# Altium PCB Ctrl-FOC-Lite.PcbDoc (continued)
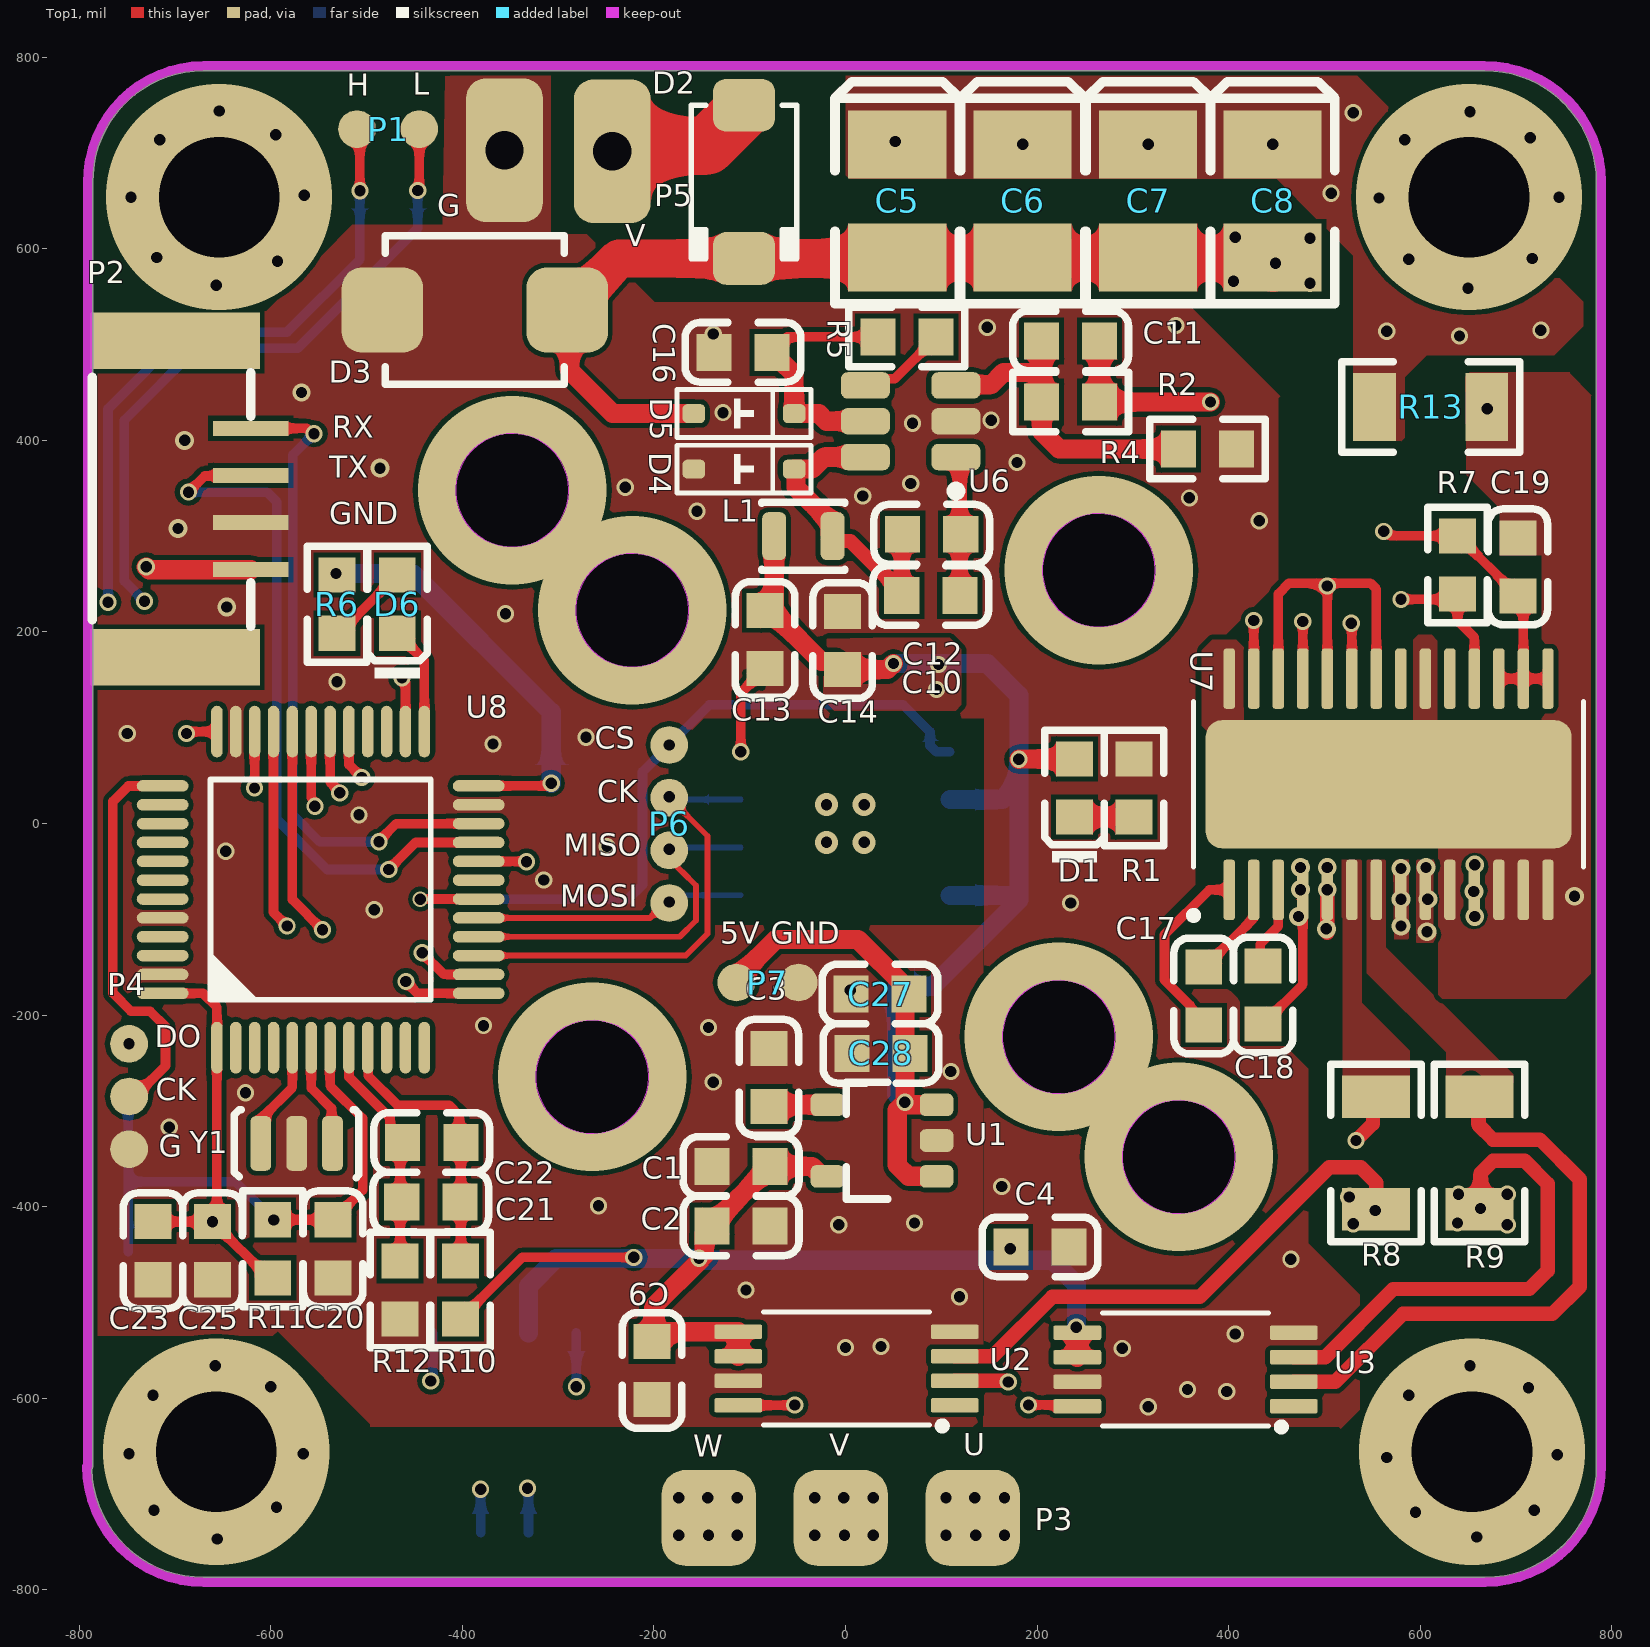
[diagram p0: Top1 view]
## Design rules (kind name [scope] priority, off if disabled: settings)
Clearance Clearance_Logo [InNetClass('Logo')] p1: gap=5 ignorepadtopadclearanceinfootprint=FALSE
Clearance [All] p2: gap=5 ignorepadtopadclearanceinfootprint=FALSE
ComponentClearance [All] p1: gap=0 collisioncheckmode=3 verticalgap=0 showdistances=FALSE
DiffPairsRouting [All] p1: maxlimit=9 minlimit=4 mostfreqgap=9 toplayer_minwidth=15 toplayer_maxwidth=15 toplayer_prefwidth=15 midlayer1_minwidth=15 midlayer1_maxwidth=15 midlayer1_prefwidth=15 midlayer2_minwidth=15 midlayer2_maxwidth=15 midlayer2_prefwidth=15 bottomlayer_minwidth=15 bottomlayer_maxwidth=15 bottomlayer_prefwidth=15 maxuncoupledlength=500
FanoutControl Fanout_BGA [All] p1: bgadir=Out bgaviamode=Centered fanoutstyle=Auto fanoutdirection=Alternating viagrid=1 // Fanout_BGA (Default Rule)
HoleSize [All] p1: absolutevalues=TRUE maxlimit=10000 minlimit=8 maxpercent=80.000 minpercent=20.000
MinimumSolderMaskSliver [All] p1 off: minsoldermaskwidth=2
PlaneClearance [All] p1: clearance=8
PlaneConnect [All] p1: planeconnectstyle=Direct reliefexpansion=20 reliefentries=4 reliefconductorwidth=10 reliefairgap=10
PolygonConnect [All] p1: connectstyle=Direct reliefconductorwidth=10 reliefentries=4 polygonreliefangle="90 Angle" airgapwidth=10
RoutingVias [All] p1: holewidth=15.75 width=19.68 viastyle="Through Hole" minholewidth=11.81 minwidth=15.75 maxholewidth=23.62 maxwidth=39.37
SilkToSilkClearance [All] p1: silktosilkclearance=0
SilkToSolderMaskClearance [IsPad] p1: minsilkscreentomaskgap=0 clearancetoexposedcopper=TRUE
SolderMaskExpansion [All] p1: expansion=3 istentingtop=FALSE
Width Logo [InNetClass('Logo')] p1: maxlimit=100 minlimit=0.1 preferedwidth=10
Width GND [(InNet('AGND') OR InNet('GND'))] p2: maxlimit=1000 minlimit=4 preferedwidth=10
Width VCC [(InNet('VDD_SYS_3.3V') OR InNet('VDD_AV_3.3V') OR InNet('VDD_5V') OR InNet('VDD1V2-SYS') OR InNet('VDD1V1-EPHY') OR InNet('VDD-CPUX') OR InNet('VDD-CPUS') OR InNet('VDD-CPUFB') OR InNet('VCC-DRAM'))] p3: maxlimit=50 minlimit=4 preferedwidth=10
Width [All] p4: maxlimit=10000 minlimit=4 preferedwidth=4
21 further rules are at their usual default settings.

## Components (designator, comment, footprint, x,y, rotation, side; value= is the part's Value field where it differs from the comment)
C1 "100nF (104) 10% 50V" 0603_C -109,-358 r0 top
C2 "10uF (106) 10% 10V" 0603_C -109,-420 r180 top
C3 "10nF (103) 10% 50V" 0603_C -80,-265 r90 top
C4 "100nF (104) 10% 50V" 0603_C 203,-442 r180 top
C5 "100uF (107) ±10% 25V" CASE-B_3528 54,650 r90 top
C6 "100uF (107) ±10% 25V" CASE-B_3528 185,650 r90 top
C7 "100uF (107) ±10% 25V" CASE-B_3528 316,650 r90 top
C8 "100uF (107) ±10% 25V" CASE-B_3528 446,650 r90 top
C9 "100nF (104) 10% 50V" 0603_C -202,-571 r270 top
C10 "100nF (104) 10% 50V" 0603_C 89,238 r0 top
C11 "100pF (101) 5% 50V" 0603_C 235,504 r0 top
C12 "100nF (104) 10% 50V" 0603_C 90,302 r0 top
C13 "100nF (104) 10% 50V" 0603_C -84,192 r90 top
C14 "10uF (106) 10% 10V" 0603_C -3,191 r270 top
C15 "100nF (104) 10% 50V" 0603_C 23,-170 r0 bottom
C16 "10uF (106) 10% 10V" 0603_C -107,492 r0 top
C17 "10nF (103) 10% 50V" 0603_C 374,-180 r90 top
C18 "100nF (104) 10% 50V" 0603_C 436,-179 r90 top
C19 "470nF (474) 10% 25V" 0603_C 702,268 r270 top
C20 "100nF (104) 10% 50V" 0603_C -535,-444 r270 top
C21 "100nF (104) 10% 50V" 0603_C -433,-395 r0 top
C22 "10uF (106) 10% 10V" 0603_C -432,-333 r0 top
C23 "100nF (104) 10% 50V" 0603_C -723,-446 r90 top
C24 "100nF (104) 10% 50V" 0603_C -277,42 r180 bottom
C25 "100nF (104) 10% 50V" 0603_C -661,-446 r90 top
C26 "100nF (104) 10% 50V" 0603_C -718,94 r0 bottom
C27 "4.7uF (475) 10% 16V" 0603_C 36,-178 r0 top
C28 "4.7uF (475) 10% 16V" 0603_C 37,-240 r0 top
D1 "绿灯 0603" 0603_LED_S1 239,37 r90 top
D2 "SS54" DO-214AC -106,670 r270 top
D3 "SMBJ28CA" SMBJ-CA_MFG -387,536 r0 top
D4 "二极管-5B5819WS" SOD-323 -106,370 r0 top
D5 "二极管-5B5819WS" SOD-323 -106,428 r0 top
D6 "白灯 0603" 0603_LED_S1 -468,229 r90 top
K1 "TACT 4P" ButtonTACT_3.5*3.55_90 -717,-362 r270 bottom value=3.4x3.5
L1 "6.8uH" IND-201612 -44,300 r180 top
P1 "PAD_2P" 接线焊接点_2P -445,725 r180 top
P2 "SH1.0-4P" XP4 -621,265 r90 top
P3 "电机接插件-3P" AMASS-MR30-M -5,-725 r0 top
P4 "PAD_3P" 接线焊接点_3P -698,-185 r90 top
P5 "Header 2" HDR1X2 -348,695 r0 top
P6 "PAD_4P" 接线焊接点_4P -234,-73 r270 top
P7 "PAD_2P" 接线焊接点_2P -114,-166 r0 top
R1 "3.3KΩ (3301) ±1%" 0603_R 301,37 r90 top
R2 "10KΩ (1002) ±1%" 0603_R 235,440 r0 top
R3 "120Ω (1200) ±1%" 0603_R -477,661 r180 bottom
R4 "1.8KΩ (1801) ±1%" 0603_R 378,391 r180 top
R5 "1MΩ (1004) ±1%" 0603_R 64,508 r180 top
R6 "3.3KΩ (3301) ±1%" 0603_R -531,229 r90 top
R7 "10KΩ (1002) ±1%" 0603_R 639,270 r270 top
R8 "R1206 0.01Ω ±1%" 1206_R 554,-344 r270 top
R9 "R1206 0.01Ω ±1%" 1206_R 662,-344 r270 top
R10 "0Ω (0R0) ±1%" 0603_R -402,-487 r90 top
R11 "10KΩ (1002) ±1%" 0603_R -598,-444 r90 top
R12 "0Ω (0R0) ±1%" 0603_R -465,-487 r90 top
R13 "R1206 0.01Ω ±1%" 1206_R 611,435 r0 top
U1 "LP2992 3V3" SOT23-5 36,-331 r180 top
U2 "INA240A2PWR" "SOP65 P640X120-8N" 1,-569 r180 top
U3 "INA240A2PWR" "SOP65 P640X120-8N" 355,-570 r180 top
U4 "MT6816" SOP8-PP-AT8870 109,75 r270 bottom locked
U5 "SN65HVD232D" SO-8 -356,-636 r270 bottom
U6 "ME3116" SOT23-6 68,420 r180 top
U7 "DRV8313PWP" HTSSOP-28 567,41 r90 top
U8 "GD32F303CCT6" LQFP_48 -548,-69 r90 top
Y1 "8MHz" 晶振-3P -573,-334 r180 top

## Footprints (in the part's own frame and the unit in brackets; to place one, negate y for a bottom-side part, rotate by r counter-clockwise, add the part's x,y. Pads: shape width x height; smd on the part's side, far side on the other; paste and mask are expansions set on the pad)
0603_C [mm]
  rect 0.93x0.98 smd: 1(-0.77,0) 2(0.77,0)
  silkscreen extent -1.53,-0.79 1.54,0.79, body extent -0.8,-0.4 0.8,0.4, height 0.3
0603_LED_S1 [mm]
  rect 0.93x0.98 smd: A(0.77,0) K(-0.77,0)
  silkscreen extent -1.98,-0.79 1.54,0.79, body extent -0.8,-0.4 0.8,0.4, height 0.6
0603_R [mm]
  rect 0.93x0.98 smd: 1(-0.77,0) 2(0.77,0)
  silkscreen extent -1.53,-0.79 1.54,0.79, body extent -0.85,-0.4 0.85,0.4, height 0.56
1206_R [mm]
  rect 1.13x1.8 smd: 1(-1.49,0) 2(1.49,0)
  silkscreen extent -2.36,-1.2 2.35,1.2, body extent -1.7,-0.86 1.65,0.87, height 0.85
AMASS-MR30-M [mm]
  rrect50% 2.5x2.54 smd: 1(-3.5,0) 2(0,0) 3(3.5,0)
  body extent -6.1,-11.84 6.1,0.66, height 2.6
ButtonTACT_3.5*3.55_90 [mil]
  rrect50% 50x30 smd: 1(-85,32) 2(-85,-32) 3(85,32) 4(85,-32)
  silkscreen extent -91,-59 91,59, body extent -90,-55 91,85, height 56
CASE-B_3528 [mm]
  rect 1.8x2.6 smd: 1(1.5,0) 2(-1.5,0)
  silkscreen extent -2.73,-1.65 3.16,1.65, body extent -1.85,-1.47 1.85,1.46, height 2.03
DO-214AC [mil] "SMA"
  rrect50% 55x65 smd: 1(-80,0) 2(80,0)
  silkscreen extent -80,-55 80,55, body extent -98,-53 98,53, height 85
HDR1X2 [mil] "插针 2.54x2"
  rrect50% 80x150 hole 40: 1(104.59,6.85) 2(-8,8)
HTSSOP-28 [mm]
  rrect50% 1.6x0.3 smd paste-2 mask+0: 1(-2.8,4.225) 2(-2.8,3.575) 3(-2.8,2.925) 4(-2.8,2.275) 5(-2.8,1.625) 6(-2.8,0.975) 7(-2.8,0.325) 8(-2.8,-0.325) 9(-2.8,-0.975) 10(-2.8,-1.625) 11(-2.8,-2.275) 12(-2.8,-2.925) 13(-2.8,-3.575) 14(-2.8,-4.225) 15(2.8,-4.225) 16(2.8,-3.575) 17(2.8,-2.925) 18(2.8,-2.275) 19(2.8,-1.625) 20(2.8,-0.975) 21(2.8,-0.325) 22(2.8,0.325) 23(2.8,0.975) 24(2.8,1.625) 25(2.8,2.275) 26(2.8,2.925) 27(2.8,3.575) 28(2.8,4.225)
  rrect25% 3.4x9.7 smd paste-6 mask+0: 29(0,0)
  silkscreen extent -3.58,-5.17 2.2,5.27, body extent -3.2,-4.85 3.2,4.85, height 1.2
IND-201612 [mil]
  rrect50% 25x50 smd paste+0 mask+0: 1(-30.46,0) 2(30.46,0)
  silkscreen extent -43,-35 43,35, body extent -39,-31 39,31, height 37
LQFP_48 [mil] "LQFP_48"
  oval 54x12 smd: 1(-165,108.27) 2(-165,88.58) 3(-165,68.9) 4(-165,49.21) 5(-165,29.53) 6(-165,9.84) 7(-165,-9.84) 8(-165,-29.53) 9(-165,-49.21) 10(-165,-68.9) 11(-165,-88.58) 12(-165,-108.27) 25(165,-108.27) 26(165,-88.58) 27(165,-68.9) 28(165,-49.21) 29(165,-29.53) 30(165,-9.84) 31(165,9.84) 32(165,29.53) 33(165,49.21) 34(165,68.9) 35(165,88.58) 36(165,108.27)
  oval 12x54 smd: 13(-108.27,-165) 14(-88.58,-165) 15(-68.9,-165) 16(-49.21,-165) 17(-29.53,-165) 18(-9.84,-165) 19(9.84,-165) 20(29.53,-165) 21(49.21,-165) 22(68.9,-165) 23(88.58,-165) 24(108.27,-165) 37(108.27,165) 38(88.58,165) 39(68.9,165) 40(49.21,165) 41(29.53,165) 42(9.84,165) 43(-9.84,165) 44(-29.53,165) 45(-49.21,165) 46(-68.9,165) 47(-88.58,165) 48(-108.27,165)
  silkscreen extent -115,-115 115,115, body extent -177,-177 177,177, height 61
SMBJ-CA_MFG [mm]
  rrect50% 2.16x2.26 smd paste+0 mask+0: 1(-2.45,0) 2(2.45,0)
  silkscreen extent -2.37,-1.97 2.37,1.97, body extent -2.7,-1.81 2.7,1.81, height 2.62
SO-8 [mm]
  oval 1.3x0.5 smd: 1(-2.65,1.905) 2(-2.65,0.635) 3(-2.65,-0.635) 4(-2.65,-1.905) 5(2.65,-1.905) 6(2.65,-0.635) 7(2.65,0.635) 8(2.65,1.905)
  silkscreen extent -2.77,-2.5 1.2,2.93, body extent -2.89,-2.44 2.89,2.46, height 1.45
SOD-323 [mm]
  rrect50% 0.6x0.5 smd: 1(-1.329,0) 2(1.329,0)
  silkscreen extent -1.78,-0.64 1.78,0.64, body extent -1.3,-0.68 1.3,0.67, height 1.15
SOP8-PP-AT8870 [mm]
  oval 0.6x1.8 smd: 1(0,0) 2(1.27,0) 3(2.54,0) 4(3.81,0) 5(3.81,5.545) 6(2.54,5.545) 7(1.27,5.545) 8(0,5.545)
  rect 2.29x2.29 smd: 9(1.905,2.773)
  silkscreen extent -0.9,-0.15 4.43,4.29, body extent -0.59,-0.33 4.41,5.87, height 1.55
"SOP65 P640X120-8N" [mm]
  rrect25% 1.27x0.381 smd: 1(-2.87,0.975) 2(-2.87,0.325) 3(-2.87,-0.325) 4(-2.87,-0.975) 5(2.87,-0.975) 6(2.87,-0.325) 7(2.87,0.325) 8(2.87,0.975)
  silkscreen extent -2.64,-1.5 2.2,1.62, body extent -3.2,-1.5 3.2,1.5, height 1.2
SOT23-5 [mm] "SOT23, 3-Leads, Body 3.1x3.0mm (max), Pitch 0.95mm, IPC Medium Density"
  rrect50% 0.889x0.6 smd: 1(-1.5,0.95) 2(-1.5,0) 3(-1.5,-0.95) 4(1.396,-0.95) 5(1.396,0.95)
  silkscreen extent -0.2,-1.55 0.9,1.55, body extent -1.48,-1.45 1.32,1.45, height 1.2
SOT23-6 [mm]
  rrect50% 1.3x0.7 smd: 1(-1.2,0.95) 2(-1.2,0) 3(-1.2,-0.95) 4(1.2,-0.95) 5(1.2,0) 6(1.2,0.95)
  silkscreen extent -1.33,1.73 -1.08,1.97, body extent -1.4,-1.45 1.4,1.45, height 1.45
XP4 [mm]
  rect 1.5x4.5 smd: 0(-2.325,2) 0(6.075,2)
  rect 0.4x2 smd: 1(0,0) 2(1.25,0) 3(2.5,0) 4(3.75,0)
  silkscreen extent -1.5,0 5.23,4.2
接线焊接点_2P [mm]
  round 1 smd: 1(0,0) 2(1.651,0)
接线焊接点_3P [mm]
  round 1 smd: 1(-3.937,1.27) 2(-2.54,1.27) 3(-1.143,1.27)
接线焊接点_4P [mm]
  round 1 smd: 1(-3.937,1.27) 2(-2.54,1.27) 3(-1.143,1.27) 4(0.254,1.27)
晶振-3P [mm] "贴片晶振"
  rrect50% 0.55x1.45 smd: 1(-0.95,0) 2(0,0) 3(0.95,0)
  silkscreen extent -1.65,-0.89 1.65,0.91, body extent -1.6,-0.89 1.65,0.89, height 0.7

## Part data
C1 C4 C9 C10 C12 C13 C15 C18 C20 C21 C23 C24 C25 C26: library part "0603 100nF (104) 10% 50V", "贴片电容", Package=0603, SuppliersPartNumber=C14663, ComponentLink1Description=供应商链接, ComponentLink1URL=http://www.szlcsc.com/product/details_15331.html, Supplier=LC
C2 C14 C16 C22: library part "0603 10uF (106) 10% 10V", "贴片电容", Package=0603, SuppliersPartNumber=C19702, ComponentLink1Description=供应商链接, ComponentLink1URL=http://www.szlcsc.com/product/details_20411.html, Supplier=LC
C3 C17: library part "0603 10nF (103) 10% 50V", "贴片电容", Package=0603, SuppliersPartNumber=C57112, ComponentLink1Description=供应商链接, ComponentLink1URL=http://www.szlcsc.com/product/details_58143.html, Supplier=LC
C5 C6 C7 C8: library part "3528 100uF (107) 10% 25V", "钽电容", Package=3528, SuppliersPartNumber=C16133, ComponentLink1Description=供应商链接, ComponentLink1URL=http://www.szlcsc.com/product/details_16815.html, Supplier=LC
C11: library part "0603 100pF (101) 5% 50V", "贴片电容", Package=0603, SuppliersPartNumber=C14858, ComponentLink1Description=供应商链接, ComponentLink1URL=http://www.szlcsc.com/product/details_15530.html, Supplier=LC
C19: library part "0603 470nF (474) 10% 25V", "贴片电容", Package=0603, SuppliersPartNumber=C1623, ComponentLink1Description=供应商链接, ComponentLink1URL=http://www.szlcsc.com/product/details_1975.html, Supplier=LC
C27 C28: library part "0603 4.7uF (475) 10% 16V", "贴片电容", Package=0603, SuppliersPartNumber=C19666, ComponentLink1Description=供应商链接, ComponentLink1URL=http://www.szlcsc.com/product/details_20375.html, Supplier=LC
D1: library part "0603 绿灯", "发光二极管", Package=0603, SuppliersPartNumber=C72043, ComponentLink1Description=供应商链接, ComponentLink1URL=http://www.szlcsc.com/product/details_73152.html, Supplier=LC
D2: library part Diode_SMA, "Diode", Type=SMA
D4 D5: library part 二极管-5B5817WS, "40V"
D6: library part "0603 白灯", "发光二极管", Package=0603, SuppliersPartNumber=C2290, ComponentLink1Description=供应商链接, ComponentLink1URL=http://www.szlcsc.com/product/details_2663.html, Supplier=LC
K1: library part ButtonTACT, "Button", Type="TACT 4P"
L1: library part 电感-201612
P1 P4 P6 P7: "导线焊接点"
P3: "AMASS MR30"
P5: "接插件", LatestRevisionDate=17-Jul-2002, LatestRevisionNote="Re-released for DXP Platform.", Publisher="Altium Limited"
R1 R6: library part "0603 3.3KΩ (3301) 1%", "贴片电阻", Package=0603, SuppliersPartNumber=C22978, ComponentLink1Description=供应商链接, ComponentLink1URL=http://www.szlcsc.com/product/details_23705.html, Supplier=LC
R2 R7 R11: library part "0603 10KΩ (1002) 1%", "贴片电阻", Package=0603, SuppliersPartNumber=C25804, ComponentLink1Description=供应商链接, ComponentLink1URL=http://www.szlcsc.com/product/details_26547.html, Supplier=LC
R3: library part "0603 120Ω (1200) 1%", "贴片电阻", Package=0603, SuppliersPartNumber=C22787, ComponentLink1Description=供应商链接, ComponentLink1URL=http://www.szlcsc.com/product/details_23514.html, Supplier=LC
R4: library part "0603 1.8KΩ (1801) 1%", "贴片电阻", Package=0603, SuppliersPartNumber=C4177, ComponentLink1Description=供应商链接, ComponentLink1URL=http://www.szlcsc.com/product/details_4584.html, Supplier=LC
R5: library part "0603 1MΩ (1004) 1%", "贴片电阻", Package=0603, SuppliersPartNumber=C22935, ComponentLink1Description=供应商链接, ComponentLink1URL=http://www.szlcsc.com/product/details_23662.html, Supplier=LC
R8 R9 R13: library part "1206 0.005Ω 1%", "电流检测电阻", Package=1206, SuppliersPartNumber=C17985, ComponentLink1Description=供应商链接, ComponentLink1URL=http://www.szlcsc.com/product/details_18673.html, Supplier=LC
R10 R12: library part "0603 0Ω (0R0) 1%", "贴片电阻", Package=0603, SuppliersPartNumber=C21189, ComponentLink1Description=供应商链接, ComponentLink1URL=http://www.szlcsc.com/product/details_21903.html, Supplier=LC
U1: library part LP2992, "LDO"
U2 U3: "-4 to 80V, bidirectional, ultra-precise current sense amplifier with enhanced PWM rejection 8-TSSOP -40 to 125", Package="TSSOP-8 Texas Instruments", Availability=Good, MF="Texas Instruments", MP=INA240A2PWR, Price=None, Purchase-URL=https://pricing.snapeda.com/search/part/INA240A2PWR/?ref=eda, SnapEDA_Link=https://www.snapeda.com/parts/INA240A2PWR/Texas%20Instruments/view-part/588604/?ref=snap
U5: Manufacturer="Texas Instruments", Manufacturer Part Number=SN65HVD232DR, Operating Temperature="-40°C ~ 85°C", Package / Case="8-SOIC (0.154\", 3.90mm Width)", Supplier Device Package=8-SOIC, Supplier Part Number 1=296-26344-2-ND, Voltage - Supply="3 V ~ 3.6 V", Category="Integrated Circuits (ICs)", ComponentLink1Description=http://www.ti.com/lit/ds/symlink/sn65hvd230.pdf, ComponentLink1URL=http://www.ti.com/lit/ds/symlink/sn65hvd230.pdf, Data Rate=1Mbps, Duplex=Half, Mounting Type="Surface Mount", Number of Drivers/Receivers=1/1, Packaging="Tape & Reel (TR)", Part Status=Active, Pricing 1="2500=0.84375 (USD)", Pricing 2="1=2.05, 10=1.842, 100=1.4809, 500=1.21668, 1000=1.00811 (USD)", Protocol=CAN, RoHS="RoHS Compliant", Stock=5000, Supplier 1=Digi-Key, Supplier 2=Digi-Key, Supplier Part Number 2=296-26344-1-ND, Type=Transceiver
U6: "DC-DC"
U7: "65-V max, 3-A peak 3-phase motor driver 28-HTSSOP -40 to 125", Package="HTSSOP-28 Texas Instruments", Availability=Good, MF="Texas Instruments", MP=DRV8313PWP, Price=None, Purchase-URL=https://pricing.snapeda.com/search/part/DRV8313PWP/?ref=eda, SnapEDA_Link=https://www.snapeda.com/parts/DRV8313PWP/Texas%20Instruments/view-part/287728/?ref=snap
Y1: library part 晶振-3Pin, "村田贴片"

## Via types
v1: diameter 17.99, hole 11.81, Top1 to Bottom4, 138 vias
v2: diameter 15, hole 11.81, Top1 to Bottom4, 31 vias
v3: diameter 19.68, hole 11.81, Top1 to Bottom4, 21 vias
v4: diameter 196.85, hole 118.11, Top1 to Bottom4, 6 vias
v5: diameter 236.22, hole 125.98, Top1 to Bottom4, 4 vias
v6: diameter 24, hole 11.81, Top1 to Bottom4, 4 vias
v7: diameter 19, hole 11.81, Top1 to Bottom4, 2 vias
v8: diameter 16, hole 11.81, Top1 to Bottom4, 2 vias

## Nets (pads, with @x,y where several pads share a name; then routed paths per layer and width w, separated by ;. In a path a pad name is that pad's centre, name@x,y a point inside that pad or via, vN(x,y) a via of type N, cw(c..) or ccw(c..) an arc to the next point about the centre after c; other vN are vias at no path point)
3V3: C1.2 C2.2 C4.2 C9.1 C19.2 C23.2 C24.2 C25.2 C26.2 R6.2 R7.1 R10.1 R11.1 U1.5 U2.5 U2.6 U3.5 U3.6 U5.3 U7.15 U7.16 U7.17 U8.1 U8.24 U8.36 U8.48 | length 5188.1
  Top1 w10: C23.2 v1(-661,-415.69) ; U8.48 -670.73,-177.27 -656.27,-191.73 U8.1 -656.27,-410.95 v1(-661,-415.69) ; v1(-688,94) -685.84,94 -683.84,96 U8.36 ; R11.1 -611.31,-461.01 -615.68,-461.01 -646.71,-429.98 -646.71,-428.99 -660.02,-415.69 v1(-661,-415.69) ; R10.1 -401.02,-517.31 -387.71,-504.01 -387.71,-503.02 -337.69,-453 v1(-221,-453) ; U8.24 -312.21,39.27 -309.48,42 v1(-307.32,42) ; v1(562,305) 564.16,305 568.85,300.31 R7.1 639.98,300.31 653.29,287.01 653.29,286.39 687.71,251.98 687.71,250.99 701.02,237.68 C19.2 707.75,231.94 U7.16 ; U7.17 U7.16 ; U7.15 U7.16
  Top1 w20: C9.1 -201.02,-540.69 -190.94,-530.61 U2.5 U2.6 ; C9.1@-200.09,-538.78 -200.09,-504.09 v1@-151.5,-455.5 ; v1@-147.62,-451.62 -147.62,-428.31 C2.2 -131.01,-411.69 -131.01,-410.32 -87.98,-367.29 -86.99,-367.29 -78.69,-358.98 C1.2 -35.04,-358 -24.63,-368.4 U1.5 ; U3.6 U3.5
  VCC w20: v1(-532,261) -657,261 -686,232 -686,-55 -661,-80 v1(-661,-415.69) -661,-418 -626,-453 v1(-221,-453)
  GND w20: v1(-532,261) -532,390 -437,485 382,485 v1(562,305)
  Bottom4 w20: v1(-532,261) -452,261 -307.32,116.31 v1(-307.32,42) ; U5.3 -331,-483 -302,-454 v1(-153,-454) -151,-456 216,-456 241,-481 v1(241,-526) 241,-548
  other v1: 172,-444
5V: C11.2 C13.2 C14.2 C15.2 C27.2 C28.2 D1.A L1.2 P2.1 P7.1 R2.2 U1.1 U1.3 U4.2 U4.4 | length 3601.8
  Top1 w20: v1(-730,268) -727,265 P2.1 ; P7.1 -114,-162 -73,-121 13,-121 62,-170 62,-237 v1(62,-291) ; C13.2 -75.69,214.01 -70.01,214.01 -24.99,168.99 -11.31,168.99 C14.2 ; C13.2@-79,224.31 -74.46,228.85 L1.2 ; C14.2@-3.98,160.68 C14.2 ; v1(50,167) 43.68,160.68 C14.2 ; U1.1 65.72,-368.4 54,-356.69 54,-299 v1(62,-291) ; U1.3 64.6,-293.6 v1(62,-291) ; v1(181,67) 181.32,67.32 D1.A ; C11.2 R2.2 v1(381,440)
  VCC w20: v1(-730,268) -730,267 -730,429 -673,486 -269,486 v1(50,167) 77,140 333,140 395,202 395,426 v1(381,440)
  Bottom4 w20: v1(50,167) 148,167 181,134 v1(181,67) 181,42 ; v1(62,-291) 53.31,-282.32 C15.2 91,-170 181,-80 ; U4.4 176,-75 181,-80 ; U4.2 164,25 181,42 ; 181,-80 181,42
  other v1: 95,140 97,166
AGND: C21.1 C22.1 R12.2 U8.8 | length 247.1
  Top1 w10: U8.8 -518.39,-234.09 -518.39,-264.61 -475.56,-307.44 -475.56,-319.75 C22.1 -465,-335.69 R12.2
AVCC: C21.2 C22.2 R10.2 U8.9 | length 294.5
  Top1 w10: U8.9 -498.41,-234.38 -498.41,-263.38 -467.79,-294 -414,-294 -403.43,-304.57 -403.43,-331.25 C22.2 -401.69,-456.37 R10.2
CAN_H_1: P1.2 R3.2 U5.7 | length 1881.8
  Top1 w10: P1.2 -507,722 v1(-507,660.68)
  VCC w10: v1(-770,231) -770,-446 -703,-513 -588,-513 -406,-695 v1(-381,-695)
  Bottom4 w10: v1(-770,231) -770,433 -690,513 -583,513 -507,589 v1(-507,660.68) R3.2 ; U5.7 v1(-381,-695)
CAN_L_1: P1.1 R3.1 U5.6 | length 1927
  Top1 w10: v1(-446.69,661) -446.69,663.16 -445,664.85 P1.1
  VCC w10: v1(-732,232) -726,226 -726,-466 -700,-492 -579,-492 -395,-676 -373.13,-676 -355.14,-694 v1(-332,-694)
  Bottom4 w10: v1(-732,232) -753,253 -753,421 -678,496 -572,496 -446.69,621.31 v1(-446.69,661) ; v1(-332,-694) -331,-695 U5.6
CAN_R_1: U5.4 U8.32 | length 912.4
  Top1 w10: U8.32 -577.53,-79.47 v1(-546,-111)
  GND w10: v1(-546,-111) -546,-407 -365,-588 v1(-281,-588)
  Bottom4 w10: v1(-281,-588) U5.4
CAN_T_1: U5.1 U8.33 | length 797.2
  Top1 w10: U8.33 -597.21,-92.79 v1(-583,-107)
  GND w10: v1(-583,-107) -565,-125 -565,-450 v1(-433,-582)
  Bottom4 w10: v1(-433,-582) -433,-579.84 -431,-577.84 U5.1
CSN_1: P6.1 U4.1 U8.18 | length 796.1
  Top1 w10: v8(-444,-79) -443.84,-78.84 U8.18
  Bottom4 w10: v8(-444,-79) -227,-79 -212,-64 -212,54 -142,124 60,124 88.23,95.77 88.23,81.29 94.52,75 U4.1
  other v8: -184,82
DRV_EN_1: U7.22 U7.24 U7.26 U8.26 | length 1490.8
  Top1 w10: v1(-463,152) -463,149.84 -459.42,146.26 U8.26 ; U7.26 451.84,239.84 463,251 492,251 ; U7.24 503.02,239.98 492,251 ; U7.22 554.2,244.8 548,251 492,251
  GND w10: v1(-463,152) -409,152 -371,114 277,114 411,248 v1(503.02,248)
DRV_FAULT_1: R7.2 U7.18 U8.20 | length 1274.2
  Top1 w10: U8.20 -333.53,-39.47 v1(-333,-40) ; v1(580,234) 633.32,234 R7.2 639,212 656.57,194.43 U7.18
  VCC w10: v1(-333,-40) -333,-14 -210,109 498,109 580,191 v1(580,234)
Encoder_A_1: P6.4 U4.5 U8.17 | length 283.4
  Top1 w6: U8.17 -204.07,-98.53 -188.54,-83 P6.4
  Bottom4 w6: v1@-184,-83 -182.49,-83 -174.49,-75 U4.5
  other v1: -184,-82
Encoder_B_1: P6.3 U4.6 U8.16 | length 394.9
  Top1 w6: U8.16 -172.99,-118.21 -156,-101.22 -156,-64.78 -170.46,-50.31 -170.72,-50.31 -174.23,-46.8 -184,-37.03 P6.3
  Bottom4 w6: v1@-184,-28 -180.75,-28 -177.75,-25 U4.6
  other v1: -184,-27
Encoder_Z_1: P6.2 U4.7 U8.15 | length 482.6
  Top1 w6: U8.15 -166.9,-137.9 -144,-115 -144,-13 P6.2
  Bottom4 w6: v1@-184,27 -182,25 U4.7
  other v1: -184,28
GND: C1.1 C2.1 C3.2 C4.1 C5.1 C6.1 C7.1 C8.1 C9.2 C13.1 C14.1 C15.1 C16.1 C20.2 C23.1 C24.1 C25.1 C26.1 C27.1 C28.1 D3.1 D4.1 K1.2 K1.4 P2.2 P4.1 P5.2 P7.2 R1.2 R4.1 R12.1 R13.1 U1.2 U2.4 U2.7 U3.4 U3.7 U4.8 U5.2 U6.2 U8.23 U8.35 U8.44 U8.47 Y1.2 | length 97.7
  Top1 w10: v1(-109.31,75) -109.31,136.38 -98.29,147.39 -98.29,148.38 -84.98,161.68 C13.1
  other v1: 316,-609 398,-593 357,-591 289,-547.99 0,-547 37,-546 407,-533 119,-494 -104,-487 465,-455 -7,-419 72,-417 -258,-399 163,-379 -706,-317 -626.43,-281 -138,-270 110,-259 -143,-213 -378,-211 5,-174 -492,-90 235,-83 -315,-59 -647,-29 -249,-24 -508,9 -368,83 -271,90 -750,94 -531,148 -355,219 432,316 -155,326 359,340 18,342 -230,351 68,355 179,377 70,418 152,421 -128,429 641,509 -138,511 565,514 726,515 148,518 345,520 507,658 185,709.06 316,709.06 446,709.06 52,712 530,742
  other v3: -646,226 -697,308 -486,371 -690,400
  other v7: -568,450
MOTOR_A_1: P3.3 U7.5 | length 44.8
  Top1 w15: v3@503.02,-113.98 U7.5
  other v1: 105,-743 136,-743 166,-743 105,-704 135,-704 166,-704
  other v3: 502,-110 503,-69 503,-46
MOTOR_A_CS_1: R8.1 U2.2 U7.6 | length 606.2
  Top1 w15: U2.2 167.78,-581.8 168.99,-583 v1(169.8,-583) ; v1(533,-331) 550.7,-313.3 550.7,-288.63 R8.1 R8.1@551,-282.34
  GND w15: v1@172,-582 300,-582 471,-411 471,-366 506,-331 v1(533,-331)
MOTOR_B_1: P3.2 U7.8
  other v1: -32,-743 -1,-743 29,-743 -32,-704 -2,-704 29,-704
  other v3: 580,-107 580,-79 580,-47
MOTOR_B_CS_1: R9.1 U3.2 U7.7 | length 616.4
  Top1 w15: U3.2 511.2,-582.8 582,-512 738,-512 766.5,-483.5 766.5,-371.5 725,-330 676,-330 661,-315 661,-286.34 R9.1 R9.1@667.81,-285.34
MOTOR_C_1: P3.1 U7.9
  other v1: -174,-743 -143,-743 -113,-743 -174,-704 -144,-704 -113,-704
  other v3: 607,-113 608,-79 606,-46
NetC3_1: C3.1 U1.4 | length 61.8
  Top1 w20: C3.1 -78.28,-293.6 U1.4
NetC10_1: C10.1 C12.1 D4.2 L1.1 U6.6 | length 329.8
  Top1 w15: L1.1 -8.54,295 5,295 47.88,252.12 47.88,248.81 C10.1 58.68,301 C12.1
  Top1 w20: D4.2 D4.2@-52.01,370 ; L1.1 -16.04,302.5 -16.04,315.04 -51.85,350.85 -51.85,369.84 D4.2@-52.01,370 ; U6.6 -22.4,382.6 -35,370 D4.2@-52.01,370
NetC10_2: C10.2 C12.2 U6.1 | length 146.3
  Top1 w15: U6.1 119.31,378.53 C10.2
NetC11_1: C11.1 R2.1 R4.2 U6.3 | length 339.3
  Top1 w20: U6.3 116.05,458.2 152.2,458.2 165,471 203.68,471 ; C11.1 R2.1 205,439.69 205,409 223,391 R4.2
NetC16_2: C16.2 D5.2 R5.2 U6.5 | length 255.7
  Top1 w10: C16.2 -76.69,492.98 -63.38,506.29 -62.39,506.29 -60.69,508 R5.2
  Top1 w20: C16.2@-67.39,482.71 -53.66,468.98 D5.2 -28,428 -20,420 U6.5
NetC17_1: C17.1 U7.1 | length 192.9
  Top1 w10: C17.1@374,-204.32 373.02,-204.32 359.71,-191.01 359.71,-190.02 333,-163.32 333,-116 379.76,-69.24 U7.1
NetC17_2: C17.2 U7.2 | length 102.9
  Top1 w10: C17.2 387.31,-136.38 388.62,-136.38 425.35,-99.65 425.35,-70.14 U7.2
NetC18_2: C18.2 U7.3 | length 88.5
  Top1 w10: C18.2 433,-145.69 433,-126 451.84,-107.16 U7.3
NetD1_K: D1.K R1.1 | length 62
  Top1 w20: D1.K R1.1
NetD6_A: D6.A R6.1 | length 88.7
  Top1 w10: R6.1 -517.69,211.99 -515.32,211.99 -482.29,245.02 -482.29,246.01 -468.98,259.32 D6.A
NetD6_K: D6.K U8.25 | length 115
  Top1 w10: D6.K -467.02,198.69 -453.71,185.38 -453.71,184.39 -439.73,170.42 U8.25
NetR5_1: R5.1 U6.4 | length 95.1
  Top1 w10: U6.4 27.55,464.19 51.19,464.19 80.71,493.71 81.01,493.71 94.31,507.02 R5.1
NetU8_5: U8.5 Y1.3 | length 113.6
  Top1 w10: Y1.3 -609,-332.6 -609,-307 -577.53,-275.53 U8.5
NetU8_6: U8.6 Y1.1 | length 109.2
  Top1 w10: U8.6 -557.84,-276.16 -536.51,-297.49 -536.51,-333.09 Y1.1
NRST_1: C20.1 K1.1 K1.3 R11.2 U8.7 | length 608.8
  Top1 w10: R11.2 C20.1 -534.02,-413.69 -520.71,-400.38 -520.71,-399.39 -504,-382.69 -504,-308 -538.16,-273.84 U8.7
  Bottom4 w10: K1.3 -749,-374 ; K1.1 -749,-374 ; v1(-597,-414) -637,-374 -749,-374
PGND: C19.1 R8.2 R9.2 R13.2 U2.3 U3.3 U7.10 U7.12 U7.13 U7.14 U7.20 U7.28 U7.29 | length 1072.8
  Top1 w15: U2.3 153.8,-556.2 216,-494 370,-494 505,-359 538,-359 554,-375 R8.2 ; U3.3 500.8,-557.2 572,-486 714,-486 733,-467 733,-376 709,-352 676,-352 663,-365 663,-401.66 R9.2
  other v1: 691,-419 530,-418 639,-417 553,-404 663,-402 640,-387 691,-387 670,433
  other v3: 526,-390 761,-76
PWM_A_1: U7.27 U8.31 | length 1458.1
  Top1 w10: U8.31 -557.84,26.84 v1@-552,21 ; U7.27 v1(426.25,212)
  GND w10: v1(-554,18) -554,62 -509,107 -451,107 -231,-113 94,-113 219,12 312.79,12 427,126.21 427,211.25 v1(426.25,212)
PWM_B_1: U7.25 U8.30 | length 1426.1
  Top1 w10: U8.30 -538.16,43.16 v1@-530,35 ; U7.25 v1(477.43,211)
  GND w10: v1(-528,32) -528,59 -509,78 -486,78 -276,-132 105,-132 231,-6 316,-6 477.43,155.43 v1(477.43,211)
PWM_C_1: U7.23 U8.29 | length 1391.6
  Top1 w10: U8.29 -518.47,61.47 v1(-505,48) ; v1(528,209) 528.61,208.39 U7.23
  GND w10: v1(-505,48) -305,-152 111,-152 237,-26 318,-26 528,184 v1(528,209)
SENSE_A_1: U2.8 U8.13 | length 806.1
  Top1 w10: v1(-459,-165) -446.73,-177.27 U8.13 ; U2.8 -53.39,-607.39 v1(-53,-607)
  GND w10: v1(-459,-165) -426,-198 -426,-329 -148,-607 v1(-53,-607)
SENSE_B_1: U3.8 U8.14 | length 1042.4
  Top1 w10: v1(-442,-135) -419.42,-157.58 U8.14 ; v1(191,-607) 240.62,-607 U3.8
  GND w10: v1(-442,-135) -403,-174 -403,-325 -144,-584 81,-584 104,-607 v1@196.51,-607
SWCLK_1: P4.2 U8.37 | length 420.5
  Top1 w10: P4.2 -742,-285 -710,-253 -710,-212 -726,-196 -746,-196 -765,-177 -765,23 -748.73,39.27 U8.37
SWDIO_1: P4.3 U8.34 | length 477.2
  Top1 w10: v1(-617,37) -616.9,37.1 U8.34
  GND w10: v1(-748,-230) -748,46 -739,55 -635,55 v1(-617,37)
UART_Rx_1: P2.4 U8.22 | length 685.6
  Top1 w10: P2.4 -562.8,412.64 -557.16,407 v1(-555,407) ; v1@-485,-16 -469.1,-0.1 U8.22
  Bottom4 w10: v1(-555,407) -577,385 -577,9 -549,-19 v1(-487,-19)
UART_Tx_1: P2.3 U8.21 | length 744.1
  Top1 w10: v1(-686,346) -669.02,362.98 -621.44,362.98 P2.3 ; v1(-477,-48) -448.79,-19.79 U8.21
  Bottom4 w10: v1(-686,346) -604,346 -594,336 -594,4.79 -541.21,-48 v1(-477,-48)
VCC: C5.2 C6.2 C7.2 C8.2 C18.1 D2.2 D3.2 D5.1 U7.4 U7.11 | length 1136.1
  Top1 w10: C18.1 436.98,-209.32 450.29,-196.01 450.29,-195.02 477.43,-167.88 U7.4
  Top1 w20: D3.2 -288.23,533.68 -288.23,473.23 -243,428 D5.1
  Top1 w40: D3.2 -290.54,537.29 -268.12,559.71 -266.83,559.71 -236.54,590 D2.2 430.94,590 C8.2@446,574.94
  other v1: 485,564 405,566 449,585 485,611 407,612
  other v3: 473,-97 657,-97 656,-71 475,-69 475,-46 657,-43
VCC_IN: D2.1 P5.1 | length 155.7
  Top1 w60: P5.1 -237.82,707.44 -144.56,707.44 D2.1@-106,746
pads on no net: P2.0 U2.1 U3.1 U4.3 U4.9 U5.5 U5.8 U7.19 U7.21 U8.2 U8.3 U8.4 U8.10 U8.11 U8.12 U8.19 U8.27 U8.28 U8.38 U8.39 U8.40 U8.41 U8.42 U8.43 U8.45 U8.46
copper on no net:
  other v2: -656,-747 659,-745 595,-719 -722,-717 719,-717 -594,-714 565,-662 743,-659 -748,-658 -566,-658 -723,-597 588,-597 713,-589 -600,-588 -658,-566 652,-566 650,559 -657,562 588,589 717,590 -719,591 557,653 -746,654 745,654 -565,656 -716,714 584,714 715,716 -595,719 652,743 -654,744
  other v4: 347.99,-347.99 -264.47,-264.47 222.71,-222.71 -222.71,222.71 264.47,264.47 -347.99,347.99
  other v5: -657,-656 654,-656 -654,654 651,654
  other v6: -19.83,-19.69 19.54,-19.69 -19.83,19.68 19.54,19.68
  other v7: -593,587

## Polygon pours and split planes (outlines as drawn)
GND on Top1 "GND_L01_P066" (solid, remove dead copper, pour order 66): -791,534 -790,535 -605,535 -515,625 -413,625 -413,780 -418,785 -415,788 -308,788 -308,617 -306,615 -270,615 -199,544 356,544 454,446 452,444 452,252 365,165 365,-64 328,-101 483,-256 483,-438 537,-492 537,-612 517,-632 515,-630 133,-630 145,-618 145,110 -148,110 -184,74 -184,-95.02 -166.9,-112.12 -160.78,-106 144,-106 144,-632 142,-630 -496,-630 -496,-627 -593,-530 -598,-535 -786,-535
PGND on Top1 "PGND_L01_P041" (solid, remove dead copper, pour order 41): 647,470 648,471 756,471 756,470 779,447 778,446 778,-157 752,-183 623,-183 619,-179 619,-23 497,-23 372,102 372,181 383,192 408,192 416,184 416,98 583,98 593,108 593,192 598,197 612,197 618,191 618,104 726,104 727,103 727,342 722,342 664,400 648,400
MOTOR_B_CS_1 on Top1 "MOTOR_B_CS_1_L01_P058" (solid, remove dead copper, pour order 58): 543,-38 563,-38 564,-39 564,-129 697,-262 697,-271 627.41,-271 627,-270.59 627,-239 543,-155
MOTOR_C_1 on Top1 "MOTOR_C_1_L01_P060" (solid, remove dead copper, pour order 60): 597,-38 619,-38 619,-124.73 595.27,-124.73 596,-124 596,-39
MOTOR_B_1 on Top1 "MOTOR_B_1_L01_P059" (solid, remove dead copper, pour order 59): 572,-38 588,-38 588,-120 587,-121 573,-121
MOTOR_A_CS_1 on Top1 "MOTOR_A_CS_1_L01_P056" (solid, remove dead copper, pour order 56): 518,-38 538,-38 539,-39 539,-187 589,-237 589,-295 581,-303 524,-303 519,-298 519,-99 518,-98
GND on Top1 "GND_L01_P050" (solid, remove dead copper, pour order 50): -418,780 -312,780 -308,776 -308,617 -436,489 -517,489 -531,503 -531,578 -515,594 -429,594 -421,602
GND on Top1 "GND_L01_P043" (solid, remove dead copper, pour order 43): 530,400 530,593 450,673 4,673 0,677 0,783 532,783 770,545 770,519 740,489 607,489 584,466 584,399
PGND on Top1 "PGND_L01_P042" (solid, remove dead copper, pour order 42): 647,470 648,469 648,364 683,329 683,280 758,280 764,286 764,404
5V on Top1 "5V_L01_P035" (solid, remove dead copper, pour order 35): 29,194 109,194 121,182 121,124 115,118 -12,118 -23,129 -23,189 -19,193
MOTOR_B_CS_1 on Top1 "MOTOR_B_CS_1_L01_P010" (solid, remove dead copper, pour order 10): 86,422
GND on Top1 "GND_L01_P000" (solid, remove dead copper, pour order 0): -252,709
GND on Bottom4 "GND_L04_P065" (solid, remove dead copper, pour order 65): -791,535 -605,535 -514,626 -430,626 -418,638 -418,791 -307,791 -305.5,789.5 -305.5,617.5 -277.5,617.5 -276,619 -202,545 353,545 453,445 452,444 452,258 365,171 365,-60 319,-106 145,-106 145,95 123,117 -145,117 -145,106 -184,67 -184,-89 -165,-108 -164,-107 324,-107 481,-264 481,-435 535,-489 534,-490 534,-613 515,-632 513,-630 -495,-630 -495,-626 -591,-530 -593,-532 -786,-532
GND on Bottom4 "GND_L04_P048" (solid, remove dead copper, pour order 48): -397,781 -316,781 -310,775 -310,622 -301,613 -61,613 -2,672 -2,776 539,776 566,749 566,670 76,670 -69,525 -379,525 -418,564 -418,766
PGND on Bottom4 "PGND_L04_P040" (solid, remove dead copper, pour order 40): 647,470 647,362 682,327 682,-31 675,-38 675,-325 630,-370 525,-370 520,-375 520,-453 521,-453 531,-463 767,-463 782,-448 782,443 755,470
VCC on Bottom4 "VCC_L04_P037" (solid, remove dead copper, pour order 37): 394,626 394,556 395,555 395,511 598,308 598,135 463,0 463,-106 467,-110 483,-110 488,-105 488,-17 493,-12 635,-12 644,-21 644,-101 651,-108 665,-108 670,-103 670,87 629,128 629,346 497,478 497,625 496,626
MOTOR_A_1 on Bottom4 "MOTOR_A_1_L04_P031" (solid, remove dead copper, pour order 31): 491,-35 513,-35 515,-37 515,-712 465,-762 107,-762 89,-744 89,-687 98,-678 455,-678 484,-649 484,-180 493,-171 491,-169
MOTOR_B_1 on VCC "MOTOR_B_1_L03_P033" (solid, remove dead copper, pour order 33): 571,-37 590,-37 594,-41 594,-530 463,-661 78,-661 44,-695 44,-760 34,-770 -41,-770 -54,-757 -54,-693 12,-627 172,-627 187,-642 434,-642 571,-505
GND on VCC "GND_L03_P064" (solid, remove dead copper, pour order 64): -791,535 -604,535 -514,625 -430,625 -418,637 -418,791 -308,791 -307,790 -307,617 -277,617 -206,546 351,546 451,446 451,252 361,162 363,160 363,108 -142,108 -181,69 -181,-94 -168,-107 144,-107 144,109 145,108 361,108 361,-62 325,-98 325,-117 482,-274 480,-276 480,-436 483,-436 534,-487 532,-489 532,-610 508,-634 -489,-634 -489,-632 -599,-522 -611,-534 -787,-534
MOTOR_C_1 on GND "MOTOR_C_1_L02_P034" (solid, remove dead copper, pour order 34): 599,-37 616,-37 620,-41 620,-503 455,-668 -72,-668 -93,-689 -93,-746 -102,-755 -185,-755 -190,-750 -190,-683 -144,-637 438,-637 595,-480 595,-41
GND on GND "GND_L02_P063" (solid, remove dead copper, pour order 63): -789,534 -606,534 -515,625 -426,625 -426,626 -418,634 -418,791 -308,791 -308,616 -276,616 -205,545 -203,547 379,547 379,517 451,445 451,257 360,166 364,162 364,111 -144,111 -184,71 -182,69 -182,-94 -174,-102 139,-102 139,-101 145,-95 144,-94 144,111 364,111 364,-60 324,-100 324,-167 351,-194 351,-232 444,-232 483,-271 483,-436 534,-487 534,-613 533,-613 513,-633 512,-632 -497,-632 -497,-628 -593,-532 -786,-532
GND on GND "GND_L02_P046" (solid, remove dead copper, pour order 46): -396,778
GND on GND "GND_L02_P045" (solid, remove dead copper, pour order 45): 0,780 0,677 4,673 431,673 495,609 494,608 494,506 530,470 753,470 772,489 772,544 771,544 534,781

## Keep-outs
Keep-Out Layer:
  circle w0.5: c347.99,-347.99 r59.06
  circle w0.5: c-347.99,347.99 r59.06
  circle w0.5: c-264.47,-264.47 r59.06
  circle w0.5: c264.47,264.47 r59.06
  circle w0.5: c222.71,-222.71 r59.06
  circle w0.5: c-222.71,222.71 r59.06
  lines w10: -792.05,-670.99 ccw(c-671.04,-670.99) -670.04,-792 668,-792 ccw(c668,-670.98) 789.01,-669.98 789,670 ccw(c667.98,670) 666.98,791.01 -669.99,791 ccw(c-669.99,670.01) -791,669.01 -791,-670.99

## Silkscreen, mask and mechanical layers (free items; w line width, h text height)
Top Overlay:
  text "L" at -452,753 h39.37
  text "H" at -521,752 h39.37
  text "G" at -426,626.42 h39.37
  text "V" at -229.98,595 h39.37
  text "RX" at -536,395 h39.37
  text "TX" at -539,353 h39.37
  text "GND" at -539,304.42 h39.37
  text "CS" at -262,70.42 h39.37
  text "CK" at -259,14.42 h39.37
  text "MISO" at -294,-41.58 h39.37
  text "MOSI" at -298,-94.58 h39.37
  text "5V" at -131,-133.58 h39.37
  text "GND" at -78,-133.58 h39.37
  text "DO" at -721,-241.58 h39.37
  text "CK" at -720,-296.58 h39.37
  text "G" at -717,-355.58 h39.37
  text "V" at -16.98,-668 h39.37
  text "U" at 123,-667.58 h39.37
  text "W" at -159,-669 h39.37
Bottom Overlay:
  text "FOC驱动" at 736.29,102.32 h118.11
  text "输入 10V-26V" at 686.97,46.35 h59.06
  text "最大电流3A" at 661,-9.65 h59.06